# Altium PCB PCB1.PcbDoc (part 1 of 3)
Units mil, origin at the board's own origin, x right, y up, seen from the top; angles counter-clockwise.
Board outline 2125.99 x 1496.06 mil, 6 copper layers (Layer 1, Layer 2, Layer 3, Layer 4, Layer 5, Layer 6), stack 32.112 mil thick; 147 components, 103 nets, 596 pads, 900 vias.
Unrouted connection lines stored in the file: 81.
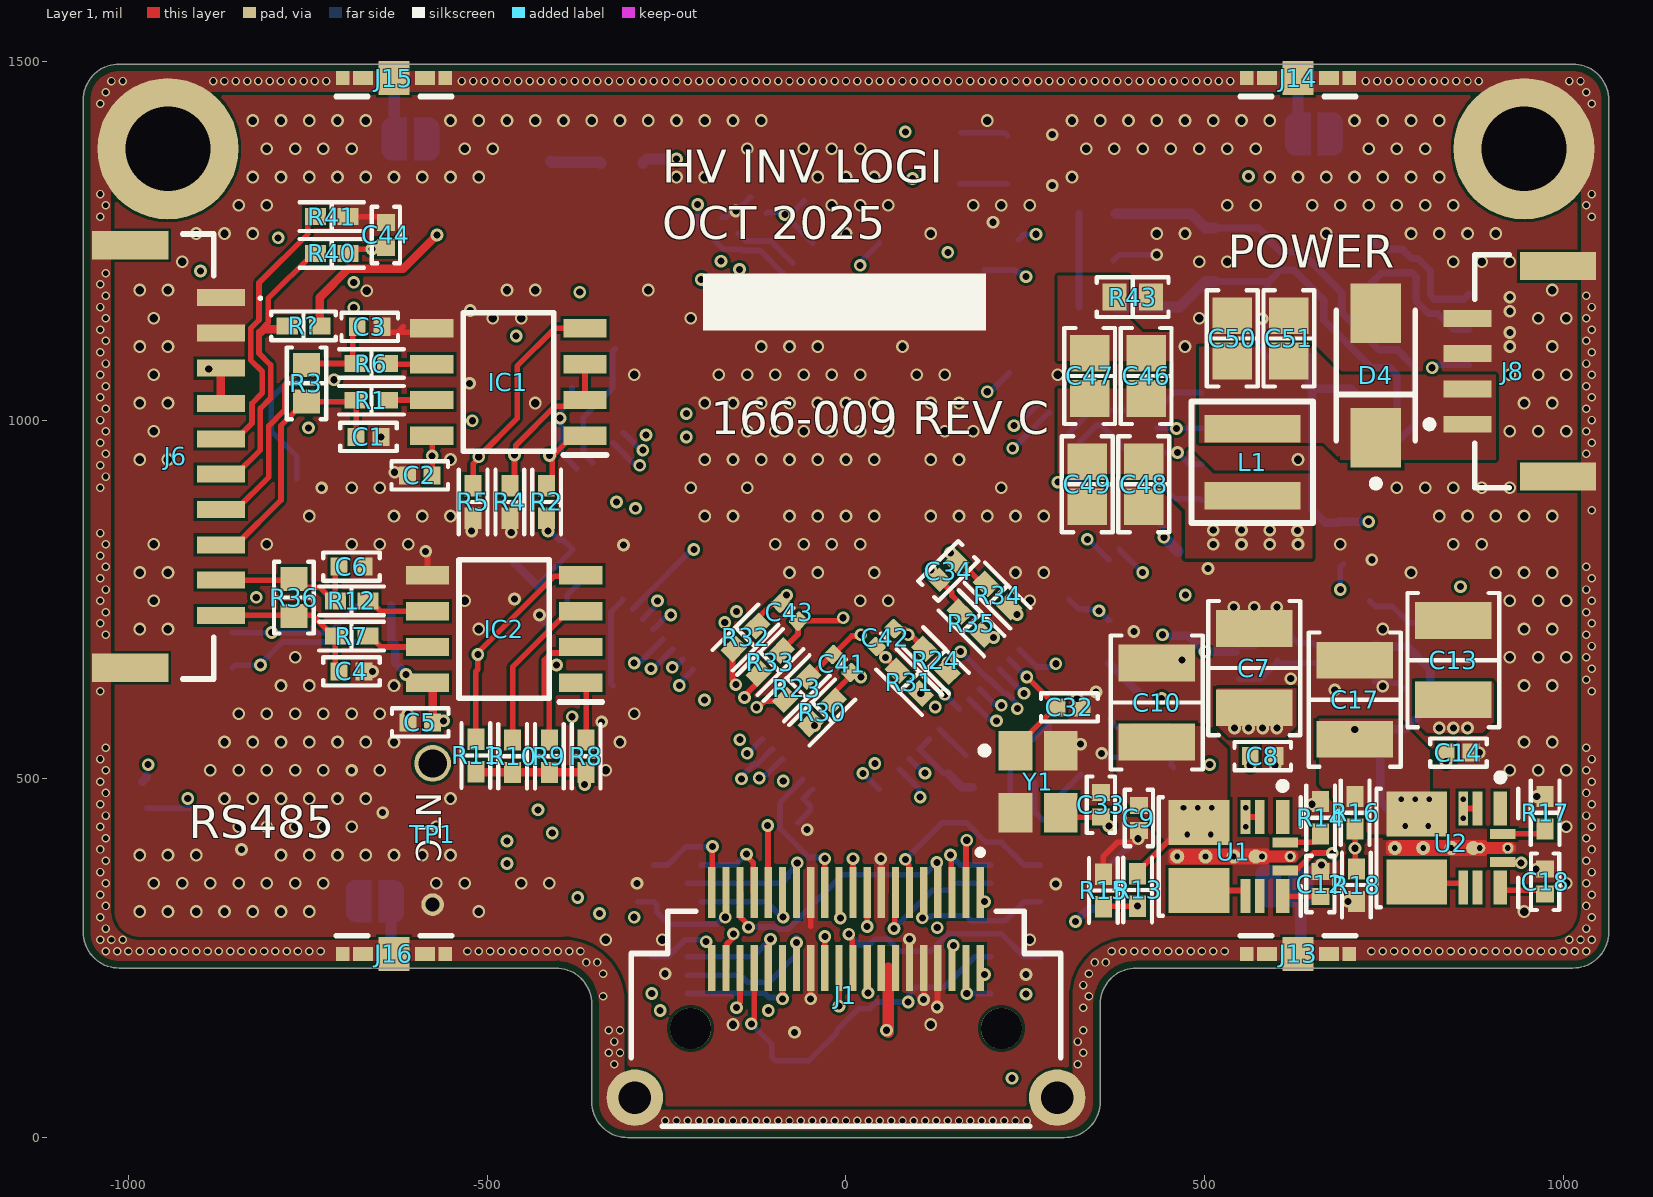
[diagram p0: Layer 1 view]
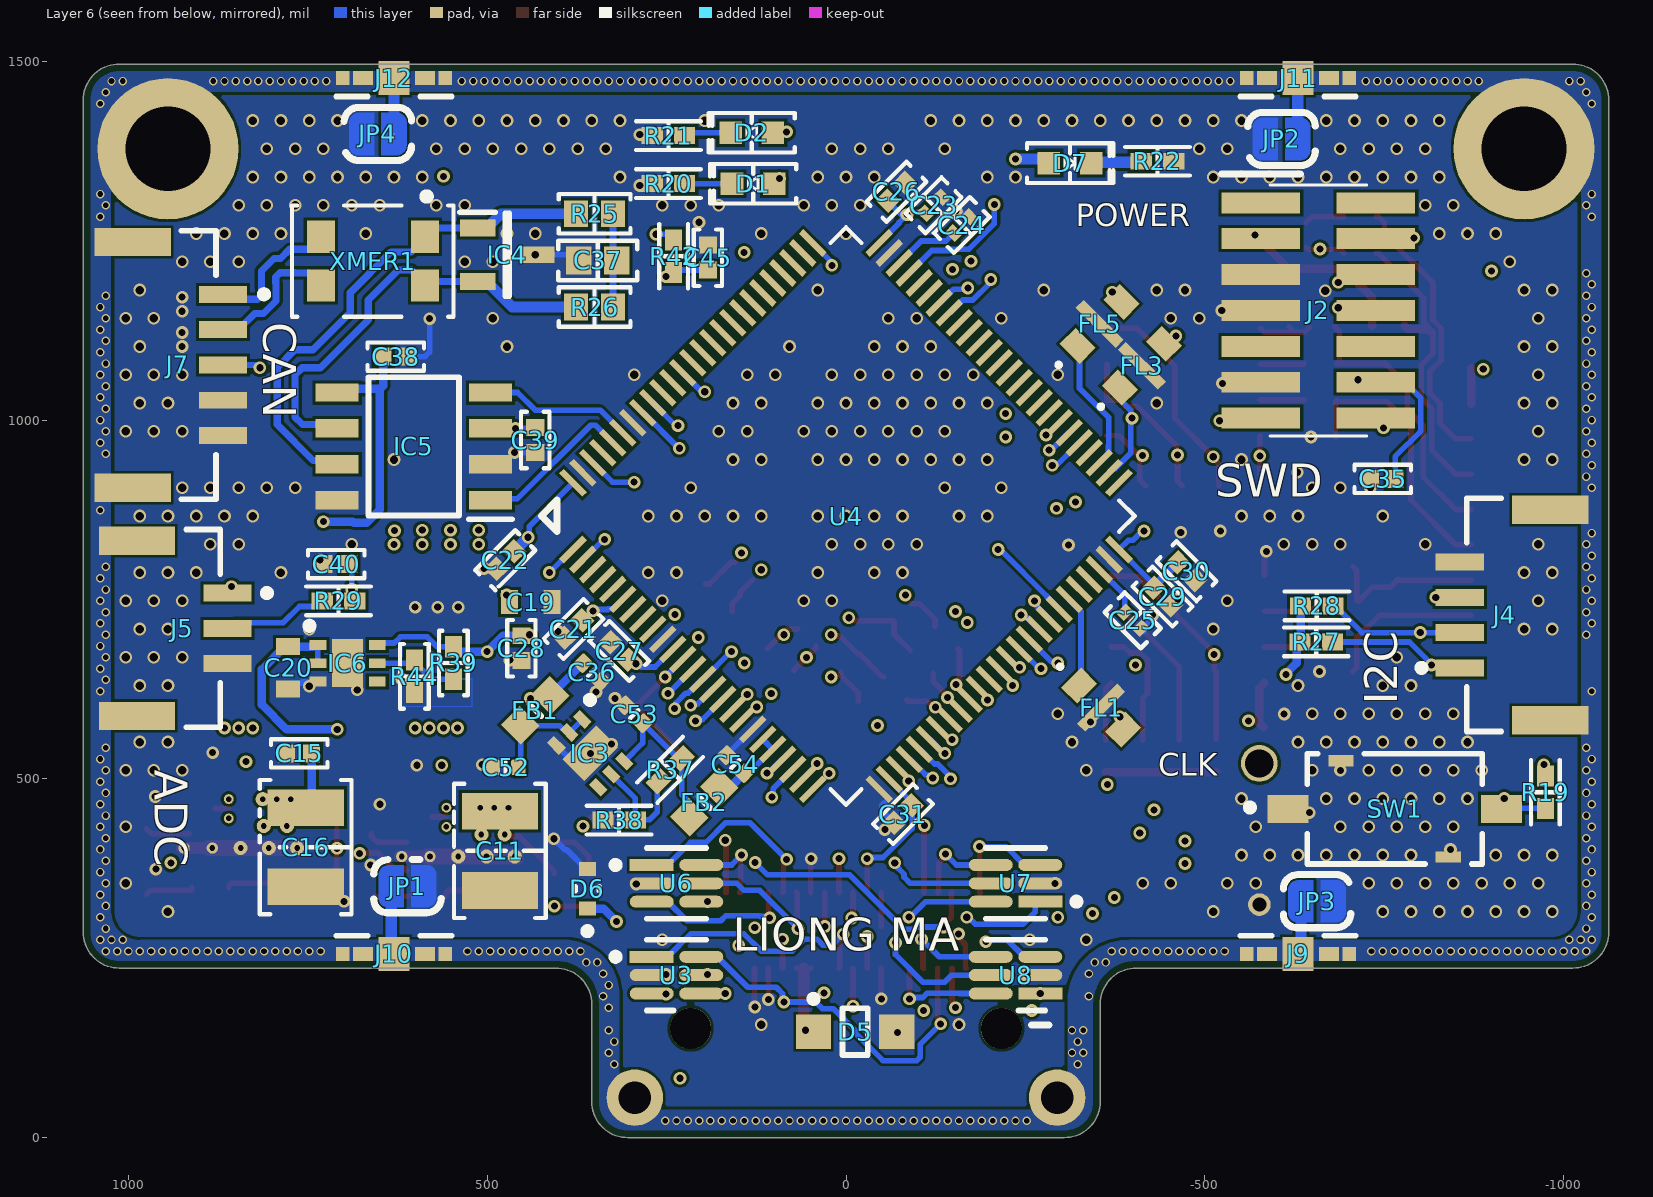
[diagram p1: Layer 6 view, seen from below]
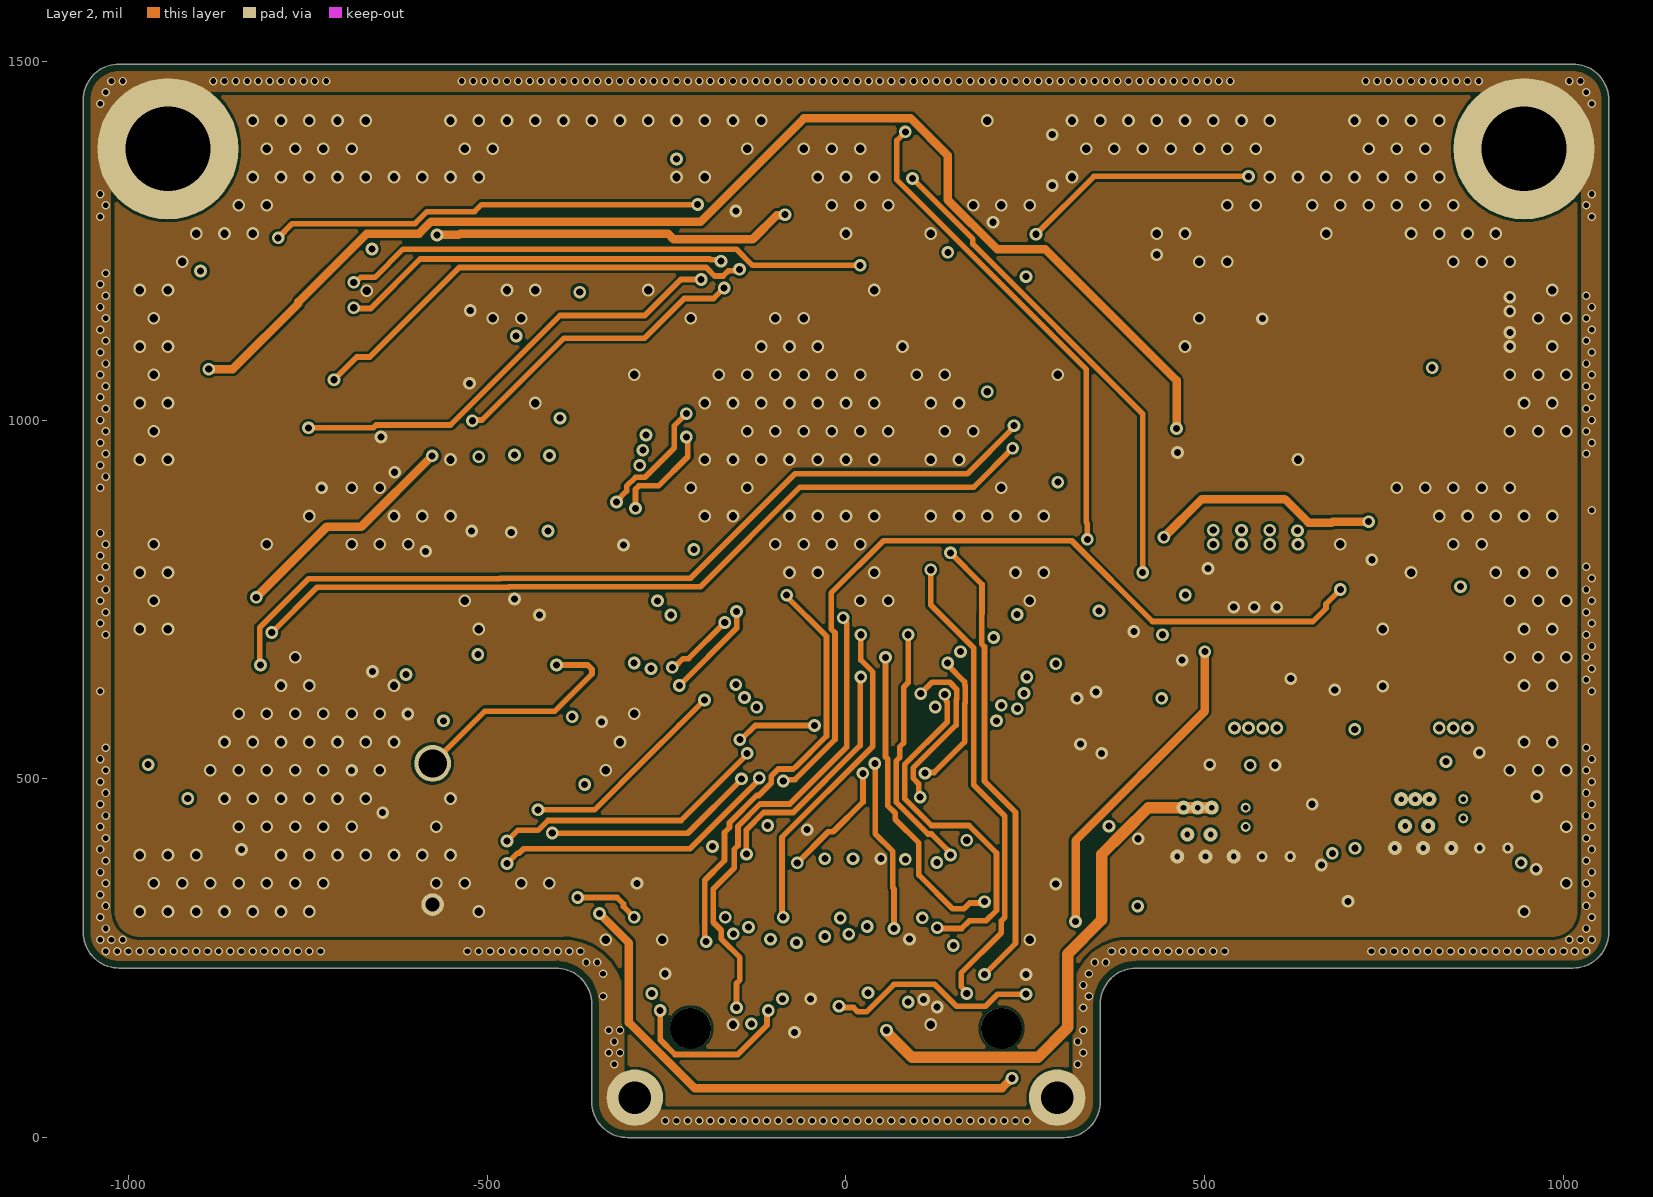
[diagram p2: Layer 2]
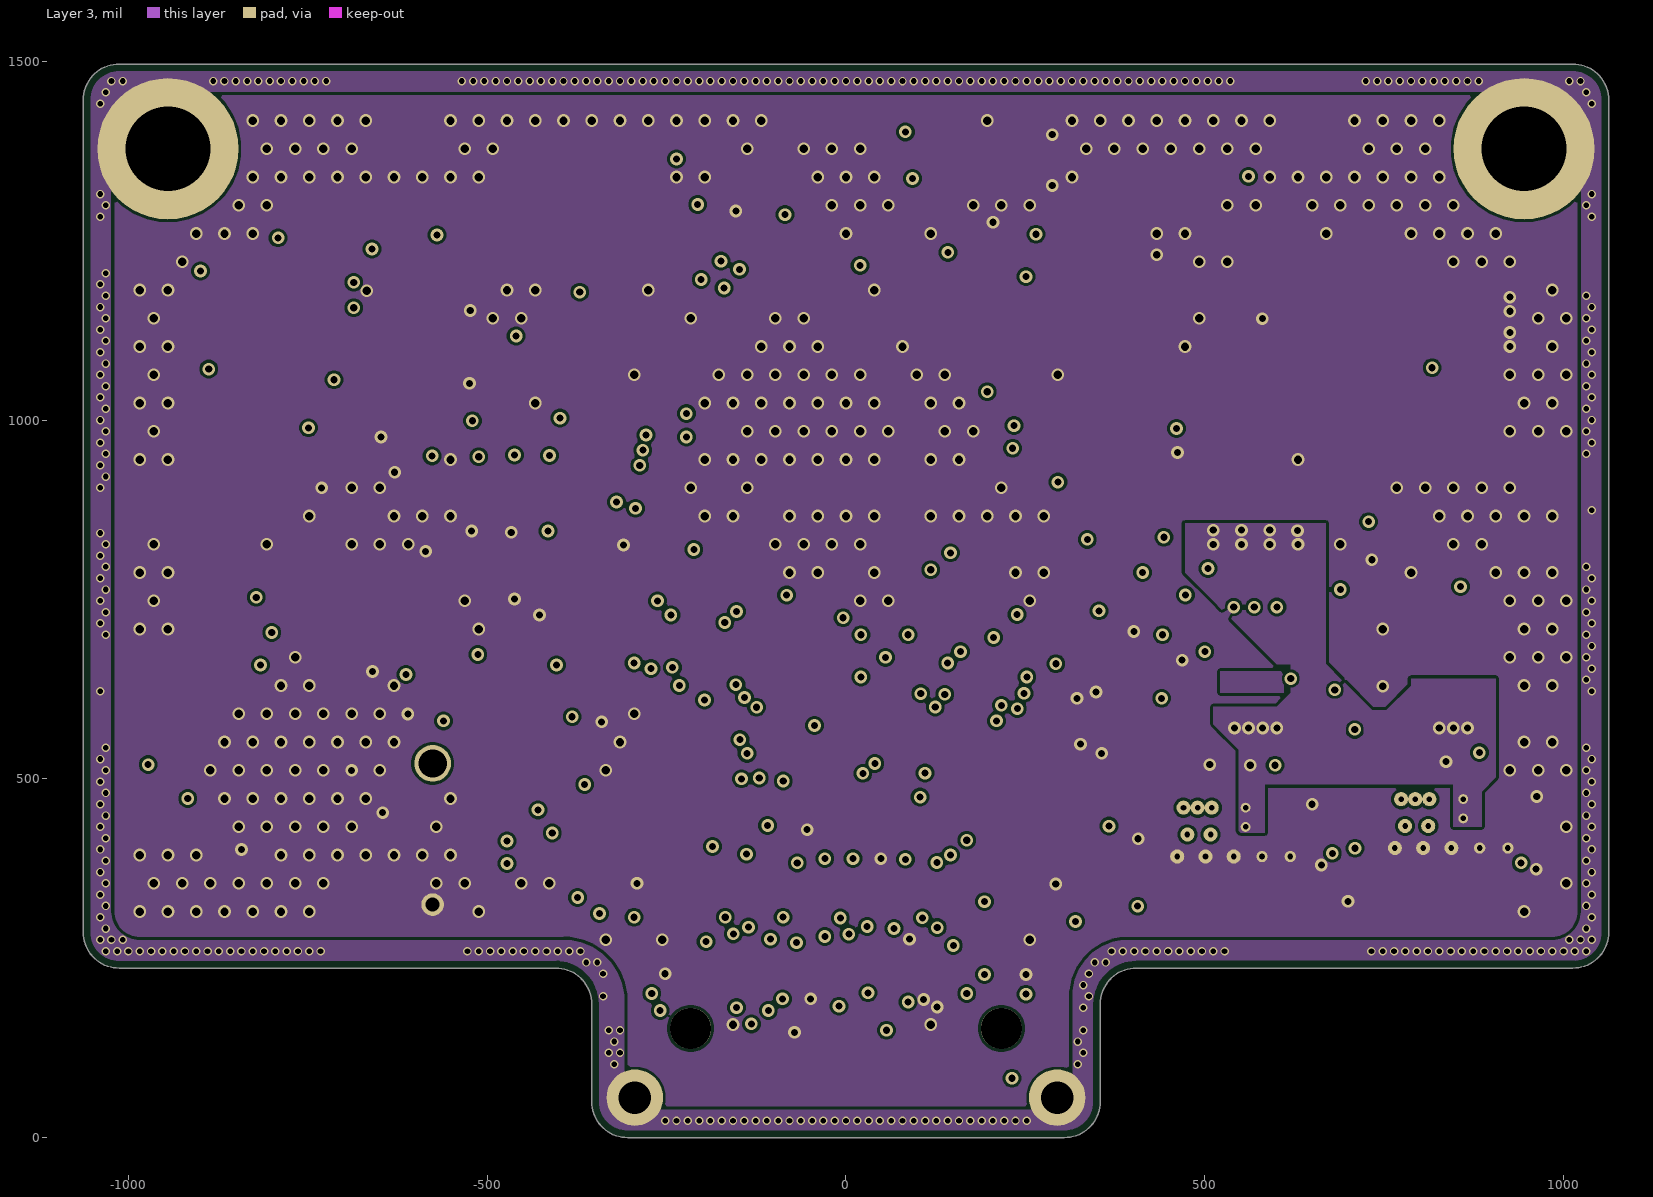
[diagram p3: Layer 3]
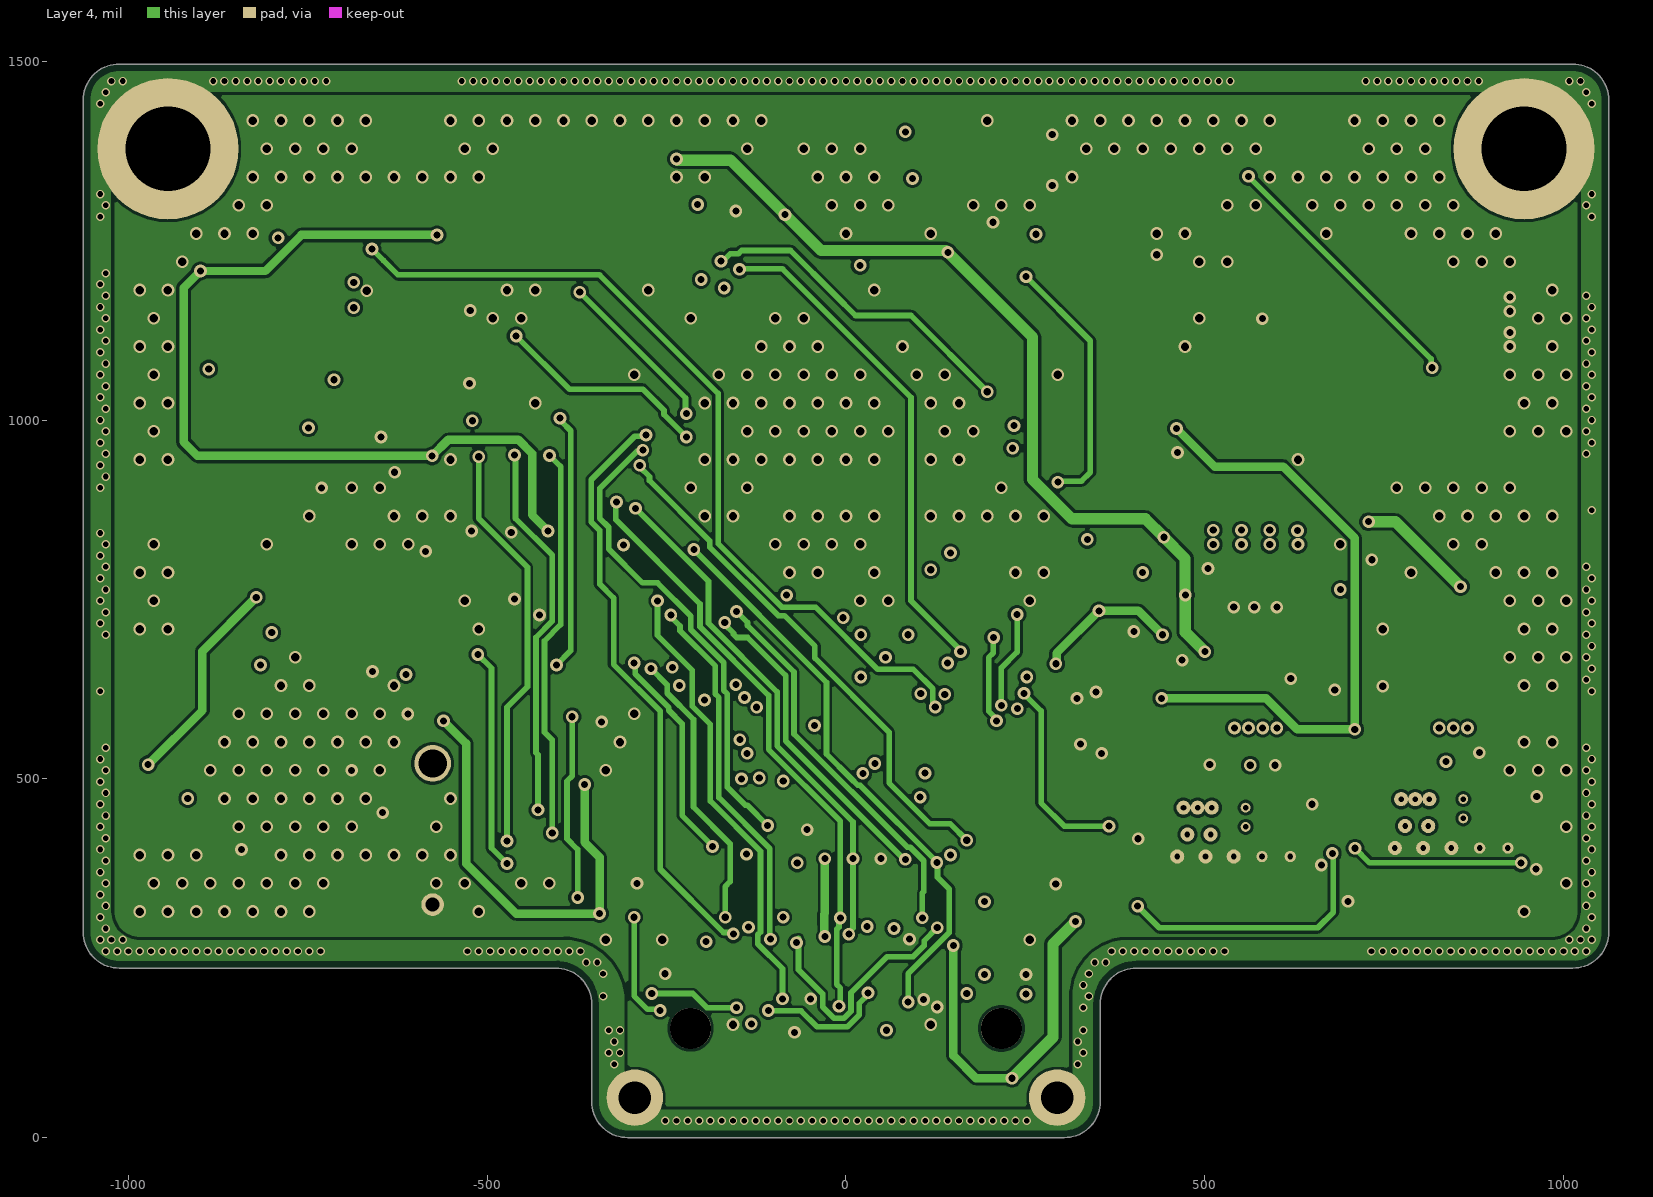
[diagram p4: Layer 4]
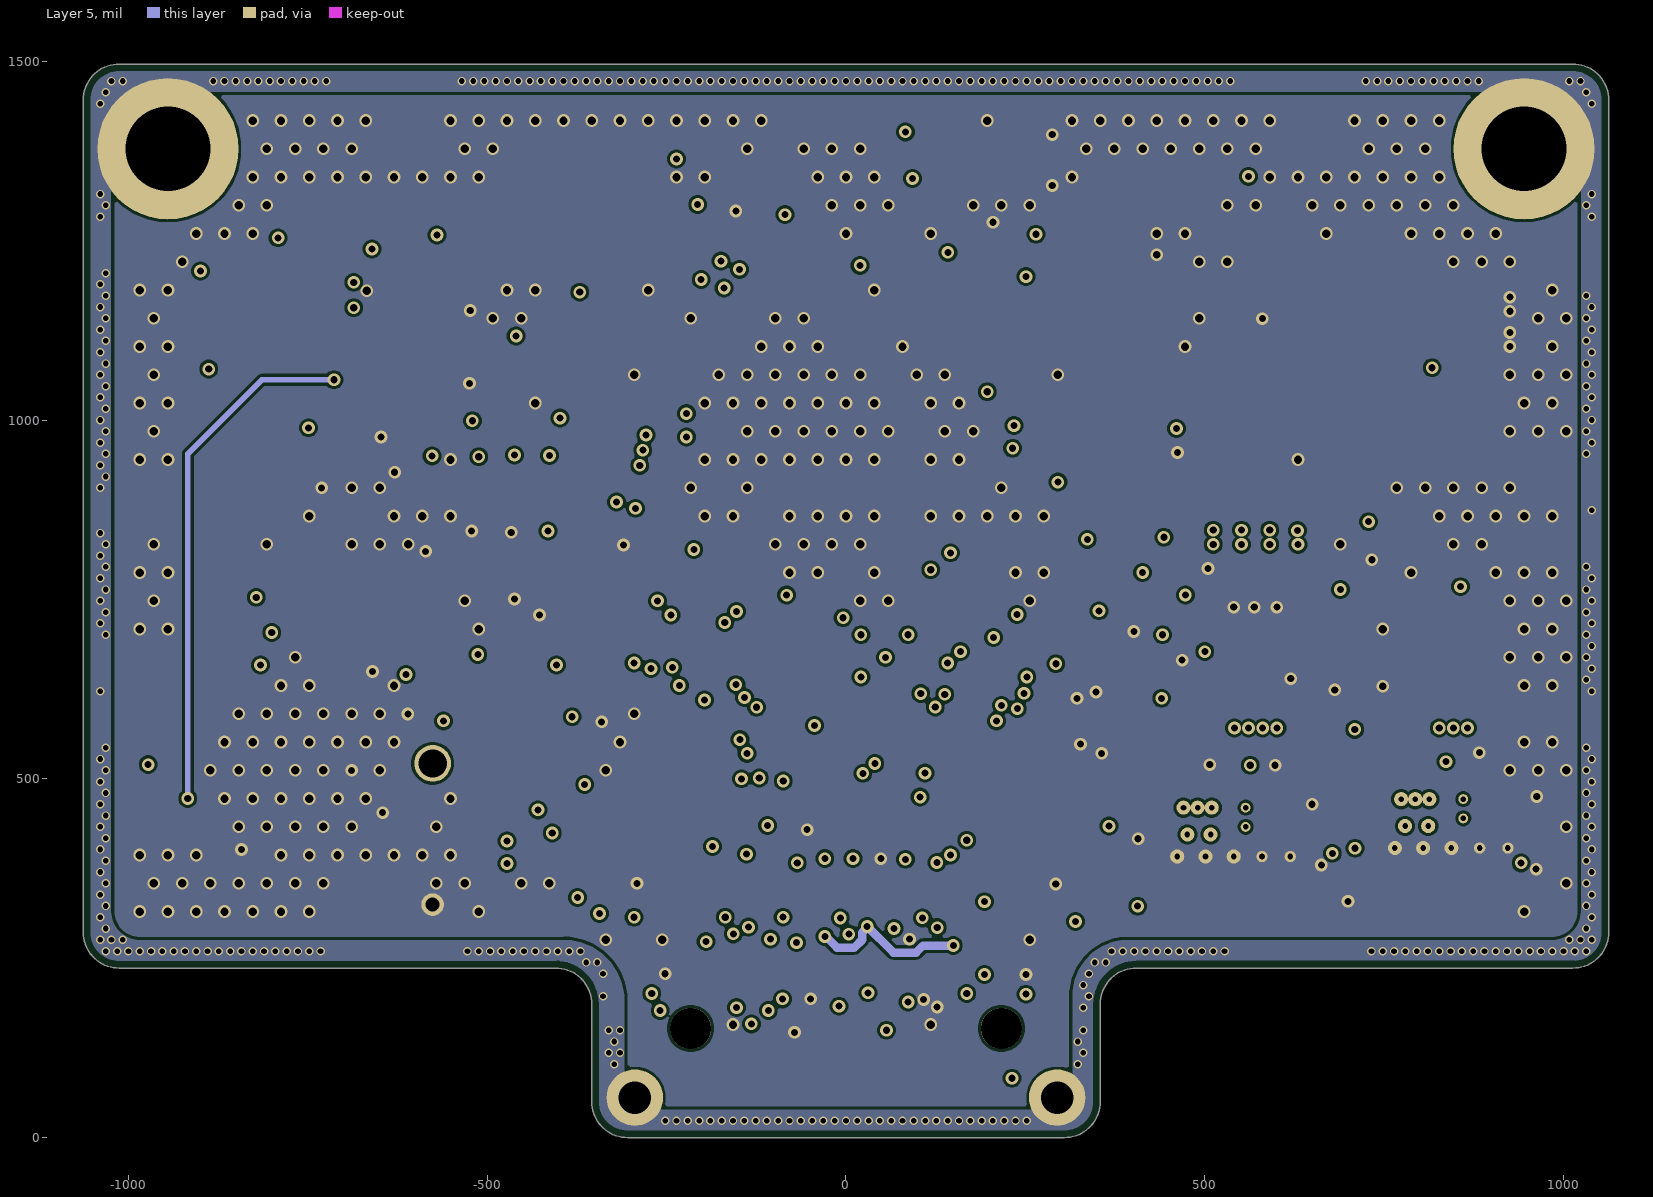
[diagram p5: Layer 5]
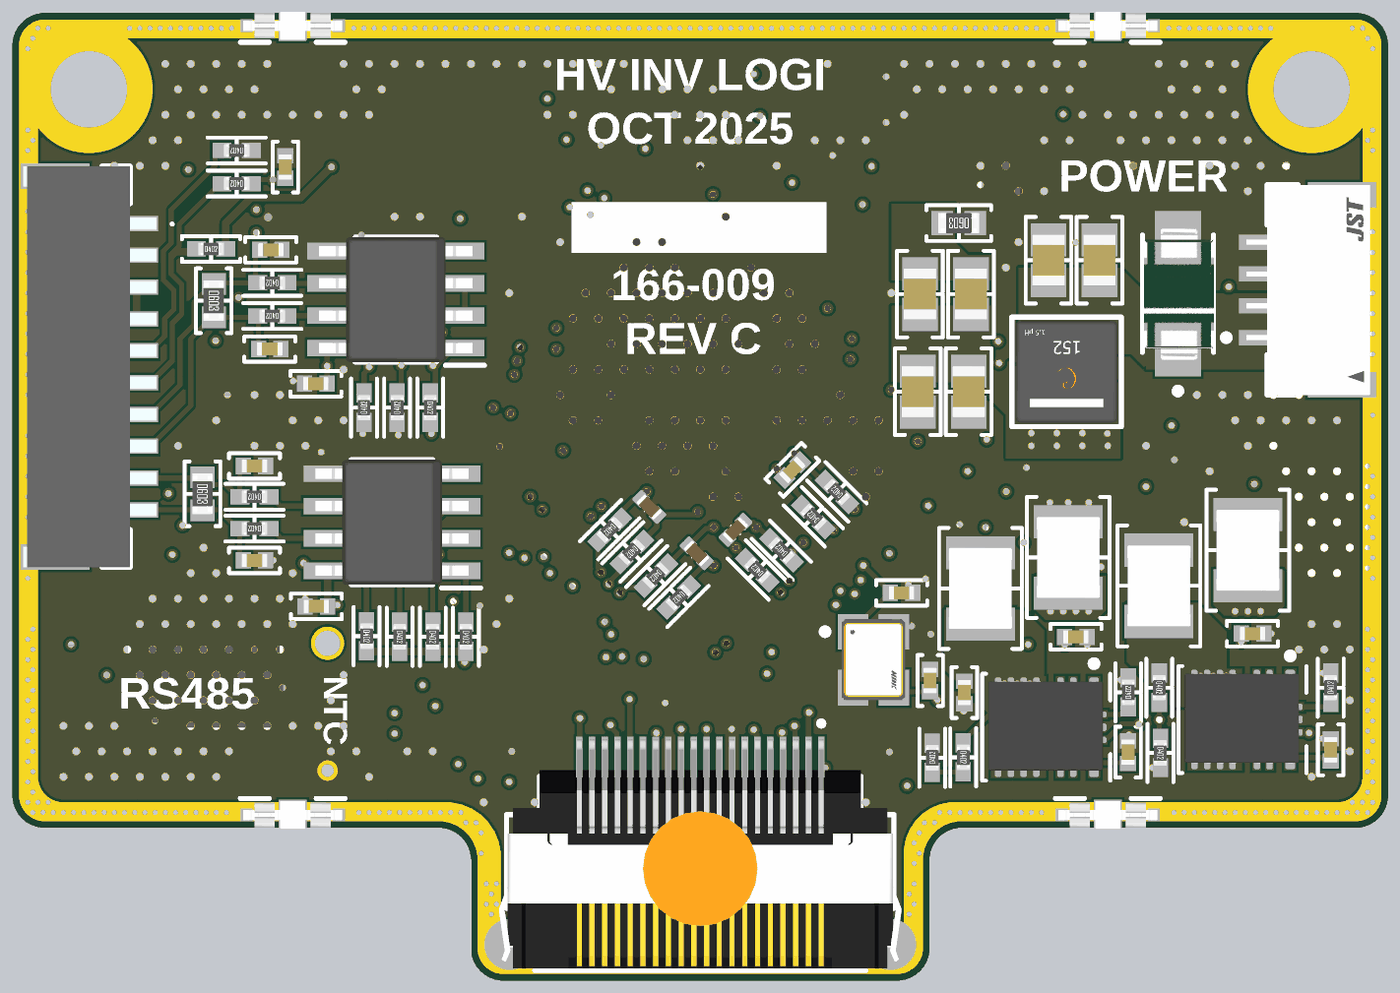
[diagram p8: 3D render of the assembled board from above, using the file's embedded part models]
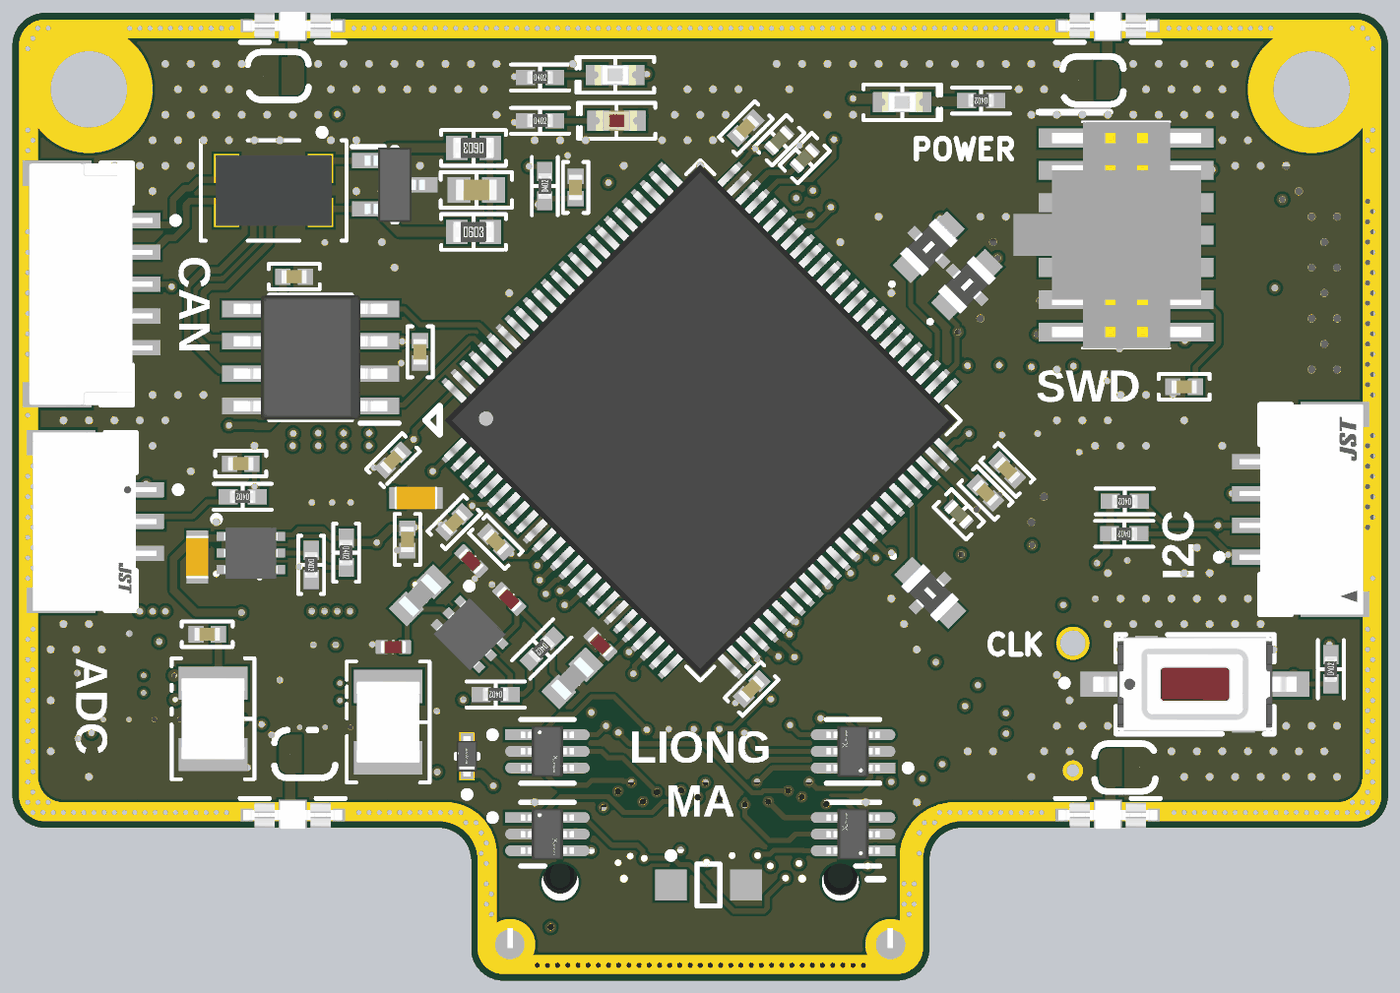
[diagram p9: 3D render of the assembled board from below, using the file's embedded part models]

## Layer stack, top to bottom
Top Solder: solder mask 0.4, Solder Resist, Dk 3.5
Layer 1: signal copper 1.4
Dielectric 4: prepreg 2.8, PP-006, Dk 4.1
Layer 2: signal copper 1.378
Dielectric 2: prepreg 2.8, PP-006, Dk 4.1
Layer 3: signal copper 1.378
Dielectric 1: dielectric 12.6, FR-4, Dk 4.8
Layer 4: signal copper 1.378
Dielectric 3: prepreg 2.8, PP-006, Dk 4.1
Layer 5: signal copper 1.378
Dielectric 5: prepreg 2.8, PP-006, Dk 4.1
Layer 6: signal copper 1.4
Bottom Solder: solder mask 0.4, Solder Resist, Dk 3.5

## Board outline
-404.33,236.22 cw(c-404.33,186.22) -354.33,186.22 -354.33,50 ccw(c-304.33,50) -304.33,0 304.33,0 ccw(c304.33,50) 354.33,50 354.33,186.22 cw(c404.33,186.22) 404.33,236.22 1012.99,236.22 ccw(c1012.99,286.22) 1062.99,286.22 1062.99,1336.94 1062.99,1446.06 ccw(c1012.99,1446.06) 1012.99,1496.06 -1012.99,1496.06 ccw(c-1012.99,1446.06) -1062.99,1446.06 -1062.99,1350.18 -1062.99,286.22 ccw(c-1012.99,286.22) -1012.99,236.22
